# Altium PCB Pleiades_PP.PcbDoc (part 7 of 15)
Units mil, origin at the board's own origin, x right, y up, seen from the top; angles counter-clockwise.
Board outline 12244.09 x 4515.28 mil, 12 copper layers (TOP, GND1, IN1, GND2, POW1, GND3, POW2, GND4, GND5, IN2, GND6, BOT), stack 63.546 mil thick; 1447 components, 738 nets, 4532 pads, 3316 vias.
Unrouted connection lines stored in the file: 499.
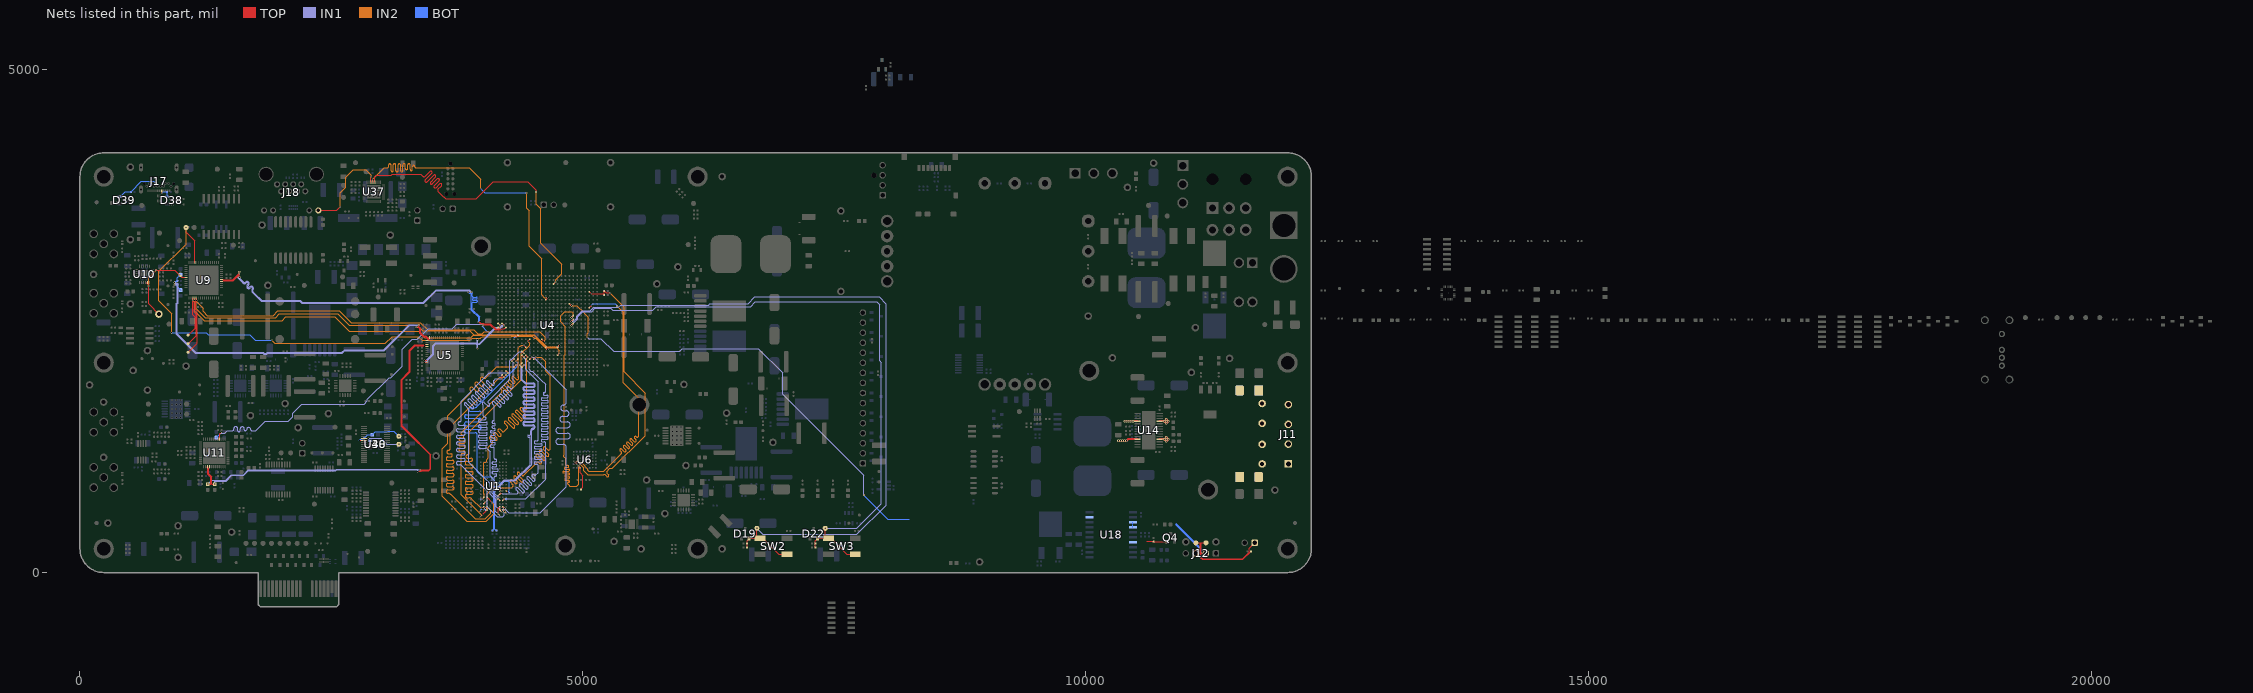
[diagram p17: the nets of this part, all layers, seen from the top]

## Via types
v1: diameter 12/18/18/18/18/18/18/18/18/18/18/12 (per signal layer), hole 6, TOP to BOT, 2739 vias
v2: diameter 20, hole 10, TOP to BOT, 363 vias
v3: diameter 19.68, hole 7.87, TOP to BOT, 110 vias
v4: diameter 40, hole 20, TOP to BOT, 36 vias
v5: diameter 25, hole 12, TOP to BOT, 32 vias
v6: diameter 22, hole 12, TOP to BOT, 27 vias
v7: diameter 19.68, hole 11.81, TOP to BOT, 9 vias

## Nets (pads, with @x,y where several pads share a name; then routed paths per layer and width w, separated by ;. In a path a pad name is that pad's centre, name@x,y a point inside that pad or via, vN(x,y) a via of type N, cw(c..) or ccw(c..) an arc to the next point about the centre after c; other vN are vias at no path point) (continued)
A5: NT11.2 U1.P2 U4.K5 | length 2887.5
  TOP w8.89: U1.P2@4015.75,685.04 v1(4031.5,700.79) ; U4.K5@4511.81,2122.05 v1(4531.5,2141.73)
  IN2 w5.75: v1(4031.5,700.79) 4047.24,716.54 4047.24,783.87 4106.49,843.11 4290.38,843.11 4302.21,854.94 4304.24,856.97 ccw(c4295.14,866.08) 4304.24,875.18 4279.09,900.33 cw(c4288.2,909.44) 4279.09,918.54 cw(c4288.2,909.44) 4297.31,918.54 4327.72,888.13 ccw(c4336.83,897.23) 4345.93,888.13 ccw(c4336.83,897.23) 4345.93,906.34 4314.21,938.06 cw(c4323.31,947.17) 4314.21,956.27 cw(c4323.31,947.17) 4332.42,956.27 4385.95,902.74 ccw(c4395.06,911.85) 4404.16,902.74 ccw(c4395.06,911.85) 4404.16,920.95 4350.63,974.48 cw(c4359.74,983.59) 4350.63,992.69 cw(c4359.74,983.59) 4368.84,992.69 4395.3,966.24 ccw(c4404.4,975.34) 4413.51,966.24 4540.99,1093.72 cw(c4550.09,1084.61) 4559.2,1093.72 4568.06,1084.85 ccw(c4577.17,1093.96) 4586.28,1084.85 ccw(c4577.17,1093.96) 4586.28,1103.06 4536.24,1153.1 cw(c4545.34,1162.21) 4536.24,1171.31 cw(c4545.34,1162.21) 4554.45,1171.31 4604.49,1121.28 ccw(c4613.59,1130.38) 4622.7,1121.28 ccw(c4613.59,1130.38) 4622.7,1139.49 4569.17,1193.02 cw(c4578.27,1202.12) 4569.17,1211.23 cw(c4578.27,1202.12) 4587.38,1211.23 4640.91,1157.7 ccw(c4650.01,1166.8) 4659.12,1157.7 ccw(c4650.01,1166.8) 4659.12,1175.91 4608.31,1226.72 cw(c4617.41,1235.83) 4608.31,1244.93 cw(c4617.41,1235.83) 4626.52,1244.93 4650.26,1221.2 ccw(c4659.36,1230.3) 4668.47,1221.2 4675,1227.73 4675,1270.25 4675,1955.33 4629.92,2000.41 4629.92,2099.47 4622.11,2107.28 4587.66,2141.73 v1(4531.5,2141.73)
  BOT w8.89: v1(4031.5,700.79) NT11.2@4042.52,711.81
A6: NT13.2 U1.R8 U4.J5 | length 2926
  TOP w8.89: U1.R8@4204.72,653.54 v1(4220.47,637.8) ; U4.J5@4472.44,2122.05 v1(4492.13,2141.73)
  IN1 w5.75: v1(4220.47,637.8) 4262.58,595.68 4575.68,595.68 4835,855 4835,1243.33 4835,1246.21 ccw(c4807.12,1246.21) 4807.12,1274.09 4758.59,1274.09 cw(c4758.59,1301.97) 4758.59,1329.84 4847.12,1329.84 ccw(c4847.12,1357.72) 4847.12,1385.6 4758.59,1385.6 cw(c4758.59,1413.48) 4758.59,1441.35 4847.12,1441.35 ccw(c4847.12,1469.23) 4847.12,1497.11 4799.07,1497.11 cw(c4799.07,1524.99) 4799.07,1552.86 4835,1552.86 ccw(c4835,1580.74) 4835,1608.62 4807.12,1608.62 cw(c4807.12,1636.49) 4807.12,1664.37 ccw(c4807.12,1692.25) 4835,1692.25 4835,1792.6 4835,1818.54 4511.81,2141.73 v1(4492.13,2141.73)
  BOT w8.89: NT13.2@4209.45,626.77 v1(4220.47,637.8)
A7: NT15.2 U1.R2 U4.J10 | length 2887.5
  TOP w8.89: v1(4000,637.8) U1.R2@4015.75,653.54 ; v1(4452.76,2299.21) U4.J10@4472.44,2318.9
  IN2 w5.75: v1(4000,637.8) 3999.17,638.62 3987.4,638.62 3892.4,733.62 3889.52,736.5 ccw(c3869.76,716.73) 3869.76,744.69 3848.02,744.69 cw(c3848.02,761.06) 3848.02,777.44 3893.62,777.44 ccw(c3893.62,793.82) 3893.62,810.2 3844.55,810.2 cw(c3844.55,826.57) 3844.55,842.95 3893.62,842.95 ccw(c3893.62,859.33) 3893.62,875.71 3844.55,875.71 cw(c3844.55,892.08) 3844.55,908.46 3893.62,908.46 ccw(c3893.62,924.84) 3893.62,941.21 3844.55,941.21 cw(c3844.55,957.59) 3844.55,973.97 3893.62,973.97 ccw(c3893.62,990.35) 3893.62,1006.72 3844.55,1006.72 cw(c3844.55,1023.1) 3844.55,1039.48 3893.62,1039.48 ccw(c3893.62,1055.86) 3893.62,1072.23 3844.55,1072.23 cw(c3844.55,1088.61) 3844.55,1104.99 3887.3,1104.99 ccw(c3887.3,1121.36) 3887.3,1137.74 3853.62,1137.74 cw(c3853.62,1154.12) 3853.62,1170.5 ccw(c3853.62,1186.87) 3870,1186.87 3870,1239.33 3870,1400.13 4388.77,1918.9 4388.77,2179.06 4470.63,2260.92 4470.63,2281.34 v1(4452.76,2299.21)
  BOT w8.89: NT15.2@3988.98,626.77 v1(4000,637.8)
A8: NT17.2 U1.T8 U4.C2 | length 2976.3
  TOP w8.89: U1.T8@4204.72,622.05 v1(4220.47,606.3) NT17.2@4231.5,595.28 ; U4.C2@4236.22,2003.94 v1(4255.91,1984.25)
  IN1 w5.75: v1(4220.47,606.3) 4220.47,571.02 4204.45,555 4150,555 4049.04,655.96 4049.04,808.57 3797.02,1060.6 3794.15,1063.47 ccw(c3774.38,1043.7) 3774.38,1071.66 3758.88,1071.66 cw(c3758.88,1088.04) 3758.88,1104.42 3813.62,1104.42 ccw(c3813.62,1120.79) 3813.62,1137.17 3758.88,1137.17 cw(c3758.88,1153.55) 3758.88,1169.93 3813.62,1169.93 ccw(c3813.62,1186.3) 3813.62,1202.68 3758.88,1202.68 cw(c3758.88,1219.06) 3758.88,1235.43 3813.62,1235.43 ccw(c3813.62,1251.81) 3813.62,1268.19 3758.88,1268.19 cw(c3758.88,1284.57) 3758.88,1300.94 3813.62,1300.94 ccw(c3813.62,1317.32) 3813.62,1333.7 3758.88,1333.7 cw(c3758.88,1350.08) 3758.88,1366.45 3813.62,1366.45 ccw(c3813.62,1382.83) 3813.62,1399.21 3758.88,1399.21 cw(c3758.88,1415.58) 3758.88,1431.96 3811.84,1431.96 ccw(c3811.84,1448.34) 3811.84,1464.72 3773.62,1464.72 cw(c3773.62,1481.09) 3773.62,1497.47 ccw(c3773.62,1513.85) 3790,1513.85 3790,1584.95 3790,1703.1 4071.16,1984.25 v1(4255.91,1984.25)
A9: NT19.2 U1.R3 U4.C1 | length 2887.5
  TOP w8.89: v1(4031.5,637.8) U1.R3@4047.24,653.54 ; v1(4216.54,1944.88) U4.C1@4236.22,1964.57
  IN2 w5.75: v1(4031.5,637.8) 4062.99,637.8 4082.38,618.41 4082.38,587.38 4030,535 3929.21,535 3686.6,777.6 3683.72,780.48 ccw(c3663.95,760.71) 3663.95,788.67 3656.38,788.67 cw(c3656.38,805.05) 3656.38,821.43 3703.62,821.43 ccw(c3703.62,837.8) 3703.62,854.18 3656.38,854.18 cw(c3656.38,870.56) 3656.38,886.93 3703.62,886.93 ccw(c3703.62,903.31) 3703.62,919.69 3656.38,919.69 cw(c3656.38,936.07) 3656.38,952.44 3703.62,952.44 ccw(c3703.62,968.82) 3703.62,985.2 3656.38,985.2 cw(c3656.38,1001.58) 3656.38,1017.95 3703.62,1017.95 ccw(c3703.62,1034.33) 3703.62,1050.71 3656.38,1050.71 cw(c3656.38,1067.09) 3656.38,1083.46 3703.62,1083.46 ccw(c3703.62,1099.84) 3703.62,1116.22 3656.38,1116.22 cw(c3656.38,1132.59) 3656.38,1148.97 3686.04,1148.97 ccw(c3686.04,1165.35) 3686.04,1181.73 3663.62,1181.73 cw(c3663.62,1198.1) 3663.62,1214.48 ccw(c3663.62,1230.86) 3680,1230.86 3680,1428.45 3680,1450.91 4171.98,1942.88 4214.53,1942.88 v1(4216.54,1944.88)
  BOT w8.89: NT19.2@4031.5,622.21 v1(4031.5,637.8)
A10: NT20.2 U1.L7 U4.G6 | length 2976.3
  TOP w8.89: NT20.2@4162.2,768.5 U1.L7@4173.23,779.53 v1(4188.98,795.28) ; U4.G6@4393.7,2161.42 v1(4413.39,2141.73)
  IN1 w5.75: v1(4188.98,795.28) 4190.16,795.28 4202.03,783.4 4334.29,783.4 4346.54,783.4 4351.55,788.41 ccw(c4342.45,797.52) 4351.55,806.62 4335.44,822.73 cw(c4344.55,831.84) 4335.44,840.95 cw(c4344.55,831.84) 4353.65,840.95 4398.05,796.55 ccw(c4407.15,805.66) 4416.26,796.55 ccw(c4407.15,805.66) 4416.26,814.76 4371.87,859.16 cw(c4380.97,868.26) 4371.87,877.37 cw(c4380.97,868.26) 4390.08,877.37 4434.47,832.97 ccw(c4443.58,842.08) 4452.68,832.97 ccw(c4443.58,842.08) 4452.68,851.18 4408.29,895.58 cw(c4417.39,904.68) 4408.29,913.79 cw(c4417.39,904.68) 4426.5,913.79 4470.89,869.4 ccw(c4480,878.5) 4489.1,869.4 ccw(c4480,878.5) 4489.1,887.61 4444.71,932 cw(c4453.82,941.11) 4444.71,950.21 cw(c4453.82,941.11) 4462.92,950.21 4502.37,910.77 ccw(c4511.47,919.87) 4520.58,910.77 ccw(c4511.47,919.87) 4520.58,928.98 4497.24,952.31 cw(c4506.35,961.42) 4497.24,970.53 cw(c4506.35,961.42) 4515.45,970.53 ccw(c4524.56,979.63) 4533.67,970.53 4555,991.86 4555,1008.55 4555,1060.6 4555,1063.47 ccw(c4542.12,1063.47) 4542.12,1076.35 4527.88,1076.35 cw(c4527.88,1089.23) 4527.88,1102.1 4582.12,1102.1 ccw(c4582.12,1114.98) 4582.12,1127.86 4527.88,1127.86 cw(c4527.88,1140.74) 4527.88,1153.61 4582.12,1153.61 ccw(c4582.12,1166.49) 4582.12,1179.37 4527.88,1179.37 cw(c4527.88,1192.25) 4527.88,1205.12 4582.12,1205.12 ccw(c4582.12,1218) 4582.12,1230.88 4527.88,1230.88 cw(c4527.88,1243.76) 4527.88,1256.63 4582.12,1256.63 ccw(c4582.12,1269.51) 4582.12,1282.39 4527.88,1282.39 cw(c4527.88,1295.26) 4527.88,1308.14 4542.12,1308.14 ccw(c4542.12,1321.02) 4555,1321.02 4555,1361.28 4555,1898.8 4432.15,2021.66 4432.15,2112.6 4414.91,2129.83 4414.91,2140.21 v1(4413.39,2141.73)
A11: NT21.2 U1.R7 U4.B1 | length 2976.3
  TOP w8.89: NT21.2@4168.5,573 v1(4157.48,584.03) 4157.48,637.8 U1.R7@4173.23,653.54 ; U4.B1@4196.85,1964.57 4196.85,1927.2 4198.02,1926.04 v1(4198.02,1925.2)
  IN1 w5.75: v1(4157.48,584.03) 4130,611.51 4130,730.35 4080,780.35 4080,882.05 3867.72,1094.33 3867.72,1609.49 3867.72,1613.56 ccw(c3845.74,1613.56) 3861.3,1629.08 3823.42,1666.97 cw(c3832.52,1676.07) 3823.42,1685.18 cw(c3832.52,1676.07) 3841.63,1685.18 3893.56,1633.25 ccw(c3902.66,1642.36) 3911.77,1633.25 ccw(c3902.66,1642.36) 3911.77,1651.46 3859.84,1703.39 cw(c3868.95,1712.5) 3859.84,1721.6 cw(c3868.95,1712.5) 3878.05,1721.6 3929.98,1669.67 ccw(c3939.09,1678.78) 3948.19,1669.67 ccw(c3939.09,1678.78) 3948.19,1687.88 3896.26,1739.81 cw(c3905.37,1748.92) 3896.26,1758.02 cw(c3905.37,1748.92) 3914.47,1758.02 3966.4,1706.1 ccw(c3975.51,1715.2) 3984.61,1706.1 ccw(c3975.51,1715.2) 3984.61,1724.31 3932.69,1776.24 cw(c3941.79,1785.34) 3932.69,1794.45 cw(c3941.79,1785.34) 3950.9,1794.45 4002.82,1742.52 ccw(c4011.93,1751.62) 4021.04,1742.52 ccw(c4011.93,1751.62) 4021.04,1760.73 3969.11,1812.66 cw(c3978.21,1821.76) 3969.11,1830.87 cw(c3978.21,1821.76) 3987.32,1830.87 4039.25,1778.94 ccw(c4048.35,1788.05) 4057.46,1778.94 ccw(c4048.35,1788.05) 4057.46,1797.15 4005.53,1849.08 cw(c4014.64,1858.19) 4005.53,1867.29 cw(c4014.64,1858.19) 4023.74,1867.29 4075.67,1815.36 ccw(c4084.78,1824.47) 4093.88,1815.36 ccw(c4084.78,1824.47) 4093.88,1833.57 4041.95,1885.5 cw(c4051.06,1894.61) 4041.95,1903.71 cw(c4051.06,1894.61) 4060.16,1903.71 4098.91,1864.97 ccw(c4108.02,1874.07) 4117.12,1864.97 ccw(c4108.02,1874.07) 4117.12,1883.18 4111.61,1888.69 cw(c4120.72,1897.79) 4111.61,1906.9 4123.93,1919.21 4129.91,1925.2 v1(4198.02,1925.2)
A12: NT22.2 U1.N7 U4.E5 | length 2926
  TOP w8.89: v1(4157.48,732.28) U1.N7@4173.23,716.54 ; v1(4295.28,2102.36) U4.E5@4314.96,2122.05
  IN1 w5.75: v1(4157.48,732.28) 4157.48,751.4 4120,788.88 4120,919.86 4120,946.49 cw(c4131.88,946.49) 4131.88,958.37 4133.73,958.37 ccw(c4133.73,970.25) 4133.73,982.12 4108.19,982.12 cw(c4108.19,994) 4108.19,1005.88 4148.12,1005.88 ccw(c4148.12,1017.76) 4148.12,1029.63 4108.19,1029.63 cw(c4108.19,1041.51) 4108.19,1053.39 4133.73,1053.39 ccw(c4133.73,1065.26) 4133.73,1077.14 4108.19,1077.14 cw(c4108.19,1089.02) 4108.19,1100.9 4132.57,1100.9 ccw(c4132.57,1112.77) 4132.57,1124.65 4131.88,1124.65 cw(c4131.88,1136.53) 4120,1136.53 4120,1186.14 4120,1230.73 4120,1233.61 ccw(c4108.12,1233.61) 4108.12,1245.49 4091.88,1245.49 cw(c4091.88,1257.37) 4091.88,1269.24 4118.47,1269.24 ccw(c4118.47,1281.12) 4118.47,1293 4091.88,1293 cw(c4091.88,1304.88) 4091.88,1316.75 4118.47,1316.75 ccw(c4118.47,1328.63) 4118.47,1340.51 4091.88,1340.51 cw(c4091.88,1352.38) 4091.88,1364.26 4118.47,1364.26 ccw(c4118.47,1376.14) 4118.47,1388.02 4091.88,1388.02 cw(c4091.88,1399.89) 4091.88,1411.77 4118.47,1411.77 ccw(c4118.47,1423.65) 4118.47,1435.53 4107.89,1435.53 cw(c4107.89,1447.4) 4107.89,1459.28 4118.47,1459.28 ccw(c4118.47,1471.16) 4118.47,1483.03 4108.12,1483.03 cw(c4108.12,1494.91) 4108.12,1506.79 ccw(c4108.12,1518.67) 4120,1518.67 4120,1573.57 4120,1645.3 4120,1649.37 ccw(c4098.02,1649.37) 4113.52,1664.96 4100.85,1677.63 cw(c4109.95,1686.74) 4100.85,1695.84 cw(c4109.95,1686.74) 4119.06,1695.84 4166.29,1648.62 ccw(c4175.39,1657.72) 4184.5,1648.62 ccw(c4175.39,1657.72) 4184.5,1666.83 4137.27,1714.05 cw(c4146.38,1723.16) 4137.27,1732.27 cw(c4146.38,1723.16) 4155.48,1732.27 4202.71,1685.04 ccw(c4211.81,1694.15) 4220.92,1685.04 ccw(c4211.81,1694.15) 4220.92,1703.25 4173.69,1750.48 cw(c4182.8,1759.58) 4173.69,1768.69 cw(c4182.8,1759.58) 4191.9,1768.69 4239.13,1721.46 ccw(c4248.24,1730.57) 4257.34,1721.46 ccw(c4248.24,1730.57) 4257.34,1739.67 4210.11,1786.9 cw(c4219.22,1796.01) 4210.11,1805.11 cw(c4219.22,1796.01) 4228.33,1805.11 4275.55,1757.88 ccw(c4284.66,1766.99) 4293.76,1757.88 ccw(c4284.66,1766.99) 4293.76,1776.1 4246.54,1823.32 cw(c4255.64,1832.43) 4246.54,1841.53 cw(c4255.64,1832.43) 4264.75,1841.53 4276.07,1830.21 ccw(c4285.18,1839.32) 4294.28,1830.21 4307.28,1843.21 4307.28,1850.52 4307.28,2090.36 v1(4295.28,2102.36)
  BOT w8.89: v1(4157.48,732.28) 4158.98,733.78 NT22.2@4158.98,733.98
A13: NT25.2 U1.T3 U4.H8 | length 2899.5
  TOP w8.89: NT25.2@3988.98,563.78 v1(4000,574.8) U1.T3@4047.24,622.05 ; v1(4413.39,2259.84) U4.H8@4433.07,2240.16
  IN2 w5.75: v1(4000,574.8) 3998.71,576.09 3987.86,576.09 3790,773.95 3790,1142.33 3790,1170.96 cw(c3802.88,1170.96) 3802.88,1183.84 3817.12,1183.84 ccw(c3817.12,1196.72) 3817.12,1209.6 3779.03,1209.6 cw(c3779.03,1222.47) 3779.03,1235.35 3817.12,1235.35 ccw(c3817.12,1248.23) 3817.12,1261.1 3779.03,1261.1 cw(c3779.03,1273.98) 3779.03,1286.86 3817.12,1286.86 ccw(c3817.12,1299.74) 3817.12,1312.61 3780.28,1312.61 cw(c3780.28,1325.49) 3780.28,1338.37 3802.88,1338.37 ccw(c3802.88,1351.25) 3802.88,1364.12 cw(c3802.88,1377) 3790,1377 3790,1391.01 3825.06,1426.07 4191.54,1792.55 4193.57,1794.58 ccw(c4184.46,1803.69) 4193.57,1812.79 4187.6,1818.76 cw(c4196.71,1827.87) 4187.6,1836.97 cw(c4196.71,1827.87) 4205.81,1836.97 4231.25,1811.53 ccw(c4240.36,1820.64) 4249.47,1811.53 ccw(c4240.36,1820.64) 4249.47,1829.74 4224.02,1855.19 cw(c4233.13,1864.29) 4224.02,1873.4 cw(c4233.13,1864.29) 4242.23,1873.4 4267.68,1847.95 ccw(c4276.78,1857.06) 4285.89,1847.95 ccw(c4276.78,1857.06) 4285.89,1866.17 4260.45,1891.61 cw(c4269.55,1900.71) 4260.44,1909.82 cw(c4269.55,1900.71) 4278.66,1909.82 4304.1,1884.38 ccw(c4313.2,1893.48) 4322.31,1884.38 ccw(c4313.2,1893.48) 4322.31,1902.59 4296.87,1928.03 cw(c4305.97,1937.14) 4296.87,1946.24 cw(c4305.97,1937.14) 4315.08,1946.24 4339.96,1921.36 ccw(c4349.07,1930.46) 4358.17,1921.36 ccw(c4349.07,1930.46) 4358.17,1939.57 cw(c4377.36,1950.29) 4355.46,1952.21 4356.57,1964.86 ccw(c4334.67,1966.77) 4356.65,1966.77 4356.65,2005.45 4356.65,2231.65 4372.97,2247.97 4378.94,2247.97 4385.89,2254.92 4385.89,2256.47 4389.26,2259.84 v1(4413.39,2259.84)
A14: NT28.2 U1.T7 U4.G7 | length 2976.3
  TOP w8.89: NT28.2@4184.25,611.02 U1.T7@4173.23,622.05 v1(4188.98,637.8) ; U4.G7@4393.7,2200.79 v1(4413.39,2181.1)
  IN1 w5.75: v1(4188.98,637.8) 4157.2,637.8 4139.6,655.4 4139.6,750.4 4100,790 4100,940 4078.74,961.26 4078.74,1201.26 4051.92,1228.08 4049.04,1230.96 ccw(c4033.5,1215.41) 4033.5,1237.39 3973.5,1237.4 cw(c3973.5,1250.27) 3973.5,1263.15 4039,1263.15 ccw(c4039,1276.03) 4039,1288.9 3973.5,1288.9 cw(c3973.5,1301.78) 3973.5,1314.66 4039,1314.66 ccw(c4039,1327.54) 4039,1340.41 3973.5,1340.41 cw(c3973.5,1353.29) 3973.5,1366.17 4039,1366.17 ccw(c4039,1379.05) 4039,1391.92 3973.5,1391.92 cw(c3973.5,1404.8) 3973.5,1417.68 4039,1417.68 ccw(c4039,1430.55) 4039,1443.43 3973.5,1443.43 cw(c3973.5,1456.31) 3973.5,1469.19 4039,1469.19 ccw(c4039,1482.06) 4039,1494.94 3973.6,1494.94 cw(c3973.6,1507.82) 3973.6,1520.7 4024.76,1520.7 ccw(c4024.76,1533.57) 4024.76,1546.45 cw(c4024.75,1559.33) 4011.88,1559.33 4011.88,1645.2 4011.88,1648.49 4011.88,1652.55 ccw(c3989.89,1652.56) 4005.4,1668.14 4001.19,1672.34 cw(c4010.3,1681.45) 4001.19,1690.56 cw(c4010.3,1681.45) 4019.4,1690.56 4052.34,1657.62 ccw(c4061.44,1666.73) 4070.55,1657.62 ccw(c4061.44,1666.73) 4070.55,1675.84 4059.51,1686.88 cw(c4068.61,1695.98) 4059.51,1705.09 4078.29,1723.87 4275,1920.58 4275,2107.37 4287.87,2120.24 4290.58,2120.24 4365.34,2195 4399.49,2195 v1(4413.39,2181.1)
ACT_LED_ETH_17: J18.12 U37.30 | length 928.9
  TOP w10: J18.12@2370,3600 2553,3600 v1(2588,3635) ; U37.30@2891.93,3881.3 2891.93,3931.39 2895,3934.46 v1(2895,3935)
  IN2 w8: v1(2588,3635) 2588,3775.38 2642,3829.38 2642,3932 2714.99,4004.99 2841.88,4004.99 2895,3951.87 v1(2895,3935)
ADC_CM_11: C237.1 TP47.1 U9.23 U10.11 U10.17 | length 918.6
  TOP w6: U10.11@669.53,2884.29 669.53,2872.48 681.5,2860.51 v1(681.5,2850) 681.5,2673.5 TP47.1@785,2570 ; U10.17@720.71,2994.53 743.31,2994.53 v1(755.79,3007) 940.5,3007 C237.1@1000,2947.5 1012.97,2934.53 1018.31,2934.53 1018.79,2935 1031.21,2935 1031.69,2934.53 U9.23@1053.82,2934.53
  IN2 w6: v1(681.5,2850) 681.5,2932.71 v1(755.79,3007)
ADC_CTRL1: TP44.1 U4.T6 U9.35 | length 4413.3
  TOP w6: TP44.1@1075,2360 1146,2431 1146,2539 1121.73,2563.27 v1(1121.73,2705) U9.35@1121.73,2728.82
  TOP w8.89: U4.T6@4748.03,2161.42 v1(4767.72,2181.1)
  IN2 w5: v1(1121.73,2705) 1140,2686.73 1140,2600 1235,2505 2009.12,2505 2045.04,2540.91 2534.09,2540.91 2678,2397 3368,2397 3428.58,2336.42 3886.96,2336.42 3909,2358.45 4515.23,2358.45 4640.37,2233.31 4741.69,2233.31 4767.72,2207.28 v1(4767.72,2181.1)
ADC_CTRL2: TP45.1 U4.T8 U9.36 | length 4417.4
  TOP w6: TP45.1@1075,2275 1155,2355 1155,2570 1135,2590 1135,2696.96 1141.42,2703.38 v1(1141.42,2705) U9.36@1141.42,2728.82
  TOP w8.89: U4.T8@4748.03,2240.16 v1(4767.72,2259.84)
  IN2 w5: v1(1141.42,2705) 1141.42,2698.58 1155,2685 1155,2625 1245,2535 1945,2535 1980.91,2570.91 2564.09,2570.91 2675,2460 3352.75,2460 3407.75,2405 3875,2405 3913.55,2366.45 4518.55,2366.45 4640,2245 4752.87,2245 v1(4767.72,2259.84)
ADC_CTRL3: TP46.1 U4.M10 U9.37 | length 4356.4
  TOP w6: TP46.1@1075,2190 1164,2279 1164,2601 1150,2615 1150,2692.37 1161.1,2703.47 v1(1161.1,2705) U9.37@1161.1,2728.82
  TOP w8.89: U4.M10@4590.55,2318.9 v1(4610.24,2299.21)
  IN2 w5: v1(1161.1,2705) 1161.1,2690.21 1225.7,2625.62 1225.7,2596.21 1266.91,2555 1922.49,2555 1968.41,2600.91 2579.09,2600.91 2695,2485 3385,2485 3456.91,2413.09 3916.91,2413.09 3955,2375 4001.33,2375 4021.22,2394.89 4570.19,2394.89 4570.74,2394.34 4598.74,2366.35 4625,2340.08 4625,2313.98 v1(4610.24,2299.21)
ADC_SCLK: TP40.1 U4.N8 U9.13 | length 5518.9
  TOP w6: v1(1055,3430) 1055,3385 1141.42,3298.58 U9.13@1141.42,3081.18
  TOP w8.89: U4.N8@4629.92,2240.16 v1(4649.61,2220.47)
  IN2 w5: v1(1908.91,2308.91) 1938.92,2278.9 3037.64,2278.9 3104.16,2345.43 3364.57,2345.43 3401.5,2308.5 3874.76,2308.5 3897.86,2331.59 3984.76,2331.59 3991.5,2338.33 3991.5,2338.47 3998.45,2345.43 4285.85,2345.43 4290.51,2350.08 4496.89,2350.08 4515.38,2331.59 4530.78,2331.59 4641.9,2220.47 v1(4649.61,2220.47)
  IN2 w6: v1(910,2385) 910,2575 784.5,2700.5 784.5,2994.77 1055,3265.27 v1(1055,3430)
  BOT w6: v1(910,2385) 1255,2385 1277.59,2362.41 1687.59,2362.41 1741.09,2308.91 v1(1908.91,2308.91)
ADCI_25: C529.1 R310.2 TP120.1 U40.8 | length 496.2
  TOP w10: v1(2778.19,1313.35) U40.8@2822.28,1313.35
  BOT w10: v1(2778.19,1313.35) 2795.69,1330.85 C529.1@2822.28,1330.85 2861.43,1370 R310.2@2906.46,1370 2933.74,1397.28 3052.28,1397.28 3062,1407 3118,1407 v1(3170,1355)
ADCO_25: TP119.1 U38.3 U40.7 | length 406.4
  TOP w10: U40.7@2822.28,1333.04 v1(2866.37,1333.04)
  IN1 w10: v1(2866.37,1333.04) 2991.57,1333.04 3049.61,1275 v1(3170,1275)
  BOT w10: v1(2866.37,1333.04) 2866.76,1332.65 2866.76,1329.68 2870.46,1325.98 2870.46,1317.98 2877.46,1310.98 U38.3@2885.46,1310.98
AOUT1_13: D10.1 D14.2 J11.4 TP68.1 U14.4 | length 124.8
  TOP w20: v5@10390,1504.57 10430,1504.57 U14.4@10514.76,1504.57
  other v5: 10390,1505 10410,1505 10430,1505 10450,1505 10470,1505
AOUT2_13: D11.1 D15.2 J11.3 TP69.1 U14.25 | length 237.9
  TOP w20: U14.25@10735.24,1504.57 v5@10780.43,1504.57 ; v5@10820,1504.57 v5@10819.57,1504.57 ; v5@10780.43,1504.57 v5(10800,1485) ; v5@10780.43,1504.57 v5(10780,1505) v5(10800,1525) ; v5@10780.43,1504.57 v5@10800,1504.57 ; v5(10800,1485) v5@10819.57,1504.57 ; v5(10800,1485) v5@10800,1504.57 ; v5@10800,1504.57 v5(10800,1505) v5(10800,1525) ; v5@10800,1504.57 v5@10819.57,1504.57 ; v5(10800,1525) 10810,1515 v5(10820,1505) v5@10819.57,1504.57
AUXIN: U4.W19 U18.9 | length 4657.3
  TOP w8.89: U4.W19@4866.14,2673.23 v1(4885.83,2653.54)
  IN1 w5: v1(5045,2340) 5058.85,2326.15 5178.85,2326.15 5305,2200 5965,2200 5990,2225 6746.26,2225 6986.5,1984.76 6986.5,1773.5 7795,965 v1(7795,770)
  IN2 w5: v1(4885.83,2653.54) 4941.46,2653.54 5008.7,2586.3 5015.44,2579.57 5054.81,2540.19 5054.81,2385.95 5045,2376.14 v1(5045,2340)
  BOT w5: v1(7795,770) 8033.49,531.5 8246.5,531.5
BA0: NT23.2 U1.M2 U4.H6 | length 2887.5
  TOP w8.89: v1(4000,732.28) U1.M2@4015.75,748.03 ; U4.H6@4433.07,2161.42 v1(4452.76,2141.73)
  IN2 w5.75: v1(4000,732.28) 4017.88,750.16 4017.88,777.12 4013.62,781.38 4013.62,1092.36 4019.62,1098.36 4036.42,1098.36 4043.37,1105.32 4043.37,1122.11 4060,1138.74 4060,1246.72 4096.92,1283.63 4098.95,1285.67 ccw(c4089.14,1295.48) 4098.95,1305.29 4075.19,1329.05 cw(c4085,1338.86) 4075.19,1348.68 cw(c4085,1338.86) 4094.82,1348.68 4125.29,1318.21 ccw(c4135.1,1328.02) 4144.91,1318.21 ccw(c4135.1,1328.02) 4144.91,1337.83 4114.44,1368.3 cw(c4124.26,1378.12) 4114.44,1387.93 cw(c4124.26,1378.12) 4134.07,1387.93 4164.54,1357.46 ccw(c4174.35,1367.27) 4184.16,1357.46 ccw(c4174.35,1367.27) 4184.16,1377.08 4158.55,1402.7 cw(c4168.36,1412.51) 4158.55,1422.32 cw(c4168.36,1412.51) 4178.18,1422.32 4197.08,1403.42 ccw(c4206.89,1413.23) 4216.7,1403.42 4234.6,1421.32 4248.23,1434.95 4250.26,1436.98 ccw(c4241.16,1446.09) 4250.26,1455.19 4223.31,1482.15 cw(c4232.42,1491.25) 4223.31,1500.36 cw(c4232.42,1491.25) 4241.52,1500.36 4302.94,1438.94 ccw(c4312.04,1448.05) 4321.15,1438.94 ccw(c4312.04,1448.05) 4321.15,1457.16 4259.73,1518.57 cw(c4268.84,1527.68) 4259.73,1536.78 cw(c4268.84,1527.68) 4277.94,1536.78 4339.36,1475.37 ccw(c4348.46,1484.47) 4357.57,1475.37 ccw(c4348.46,1484.47) 4357.57,1493.58 4296.16,1554.99 cw(c4305.26,1564.1) 4296.16,1573.2 cw(c4305.26,1564.1) 4314.37,1573.2 4375.78,1511.79 ccw(c4384.89,1520.9) 4393.99,1511.79 ccw(c4384.89,1520.9) 4393.99,1530 4332.58,1591.42 cw(c4341.68,1600.52) 4332.58,1609.63 cw(c4341.68,1600.52) 4350.79,1609.63 4412.2,1548.21 ccw(c4421.31,1557.32) 4430.42,1548.21 ccw(c4421.31,1557.32) 4430.42,1566.42 4378.71,1618.13 cw(c4387.82,1627.23) 4378.71,1636.34 cw(c4387.82,1627.23) 4396.92,1636.34 4414.17,1619.1 ccw(c4423.27,1628.2) 4432.38,1619.1 4440.88,1627.6 4440.88,1667.35 4440.88,2129.85 v1(4452.76,2141.73)